# Altium PCB amp.PcbDoc (part 14 of 20) (continued)
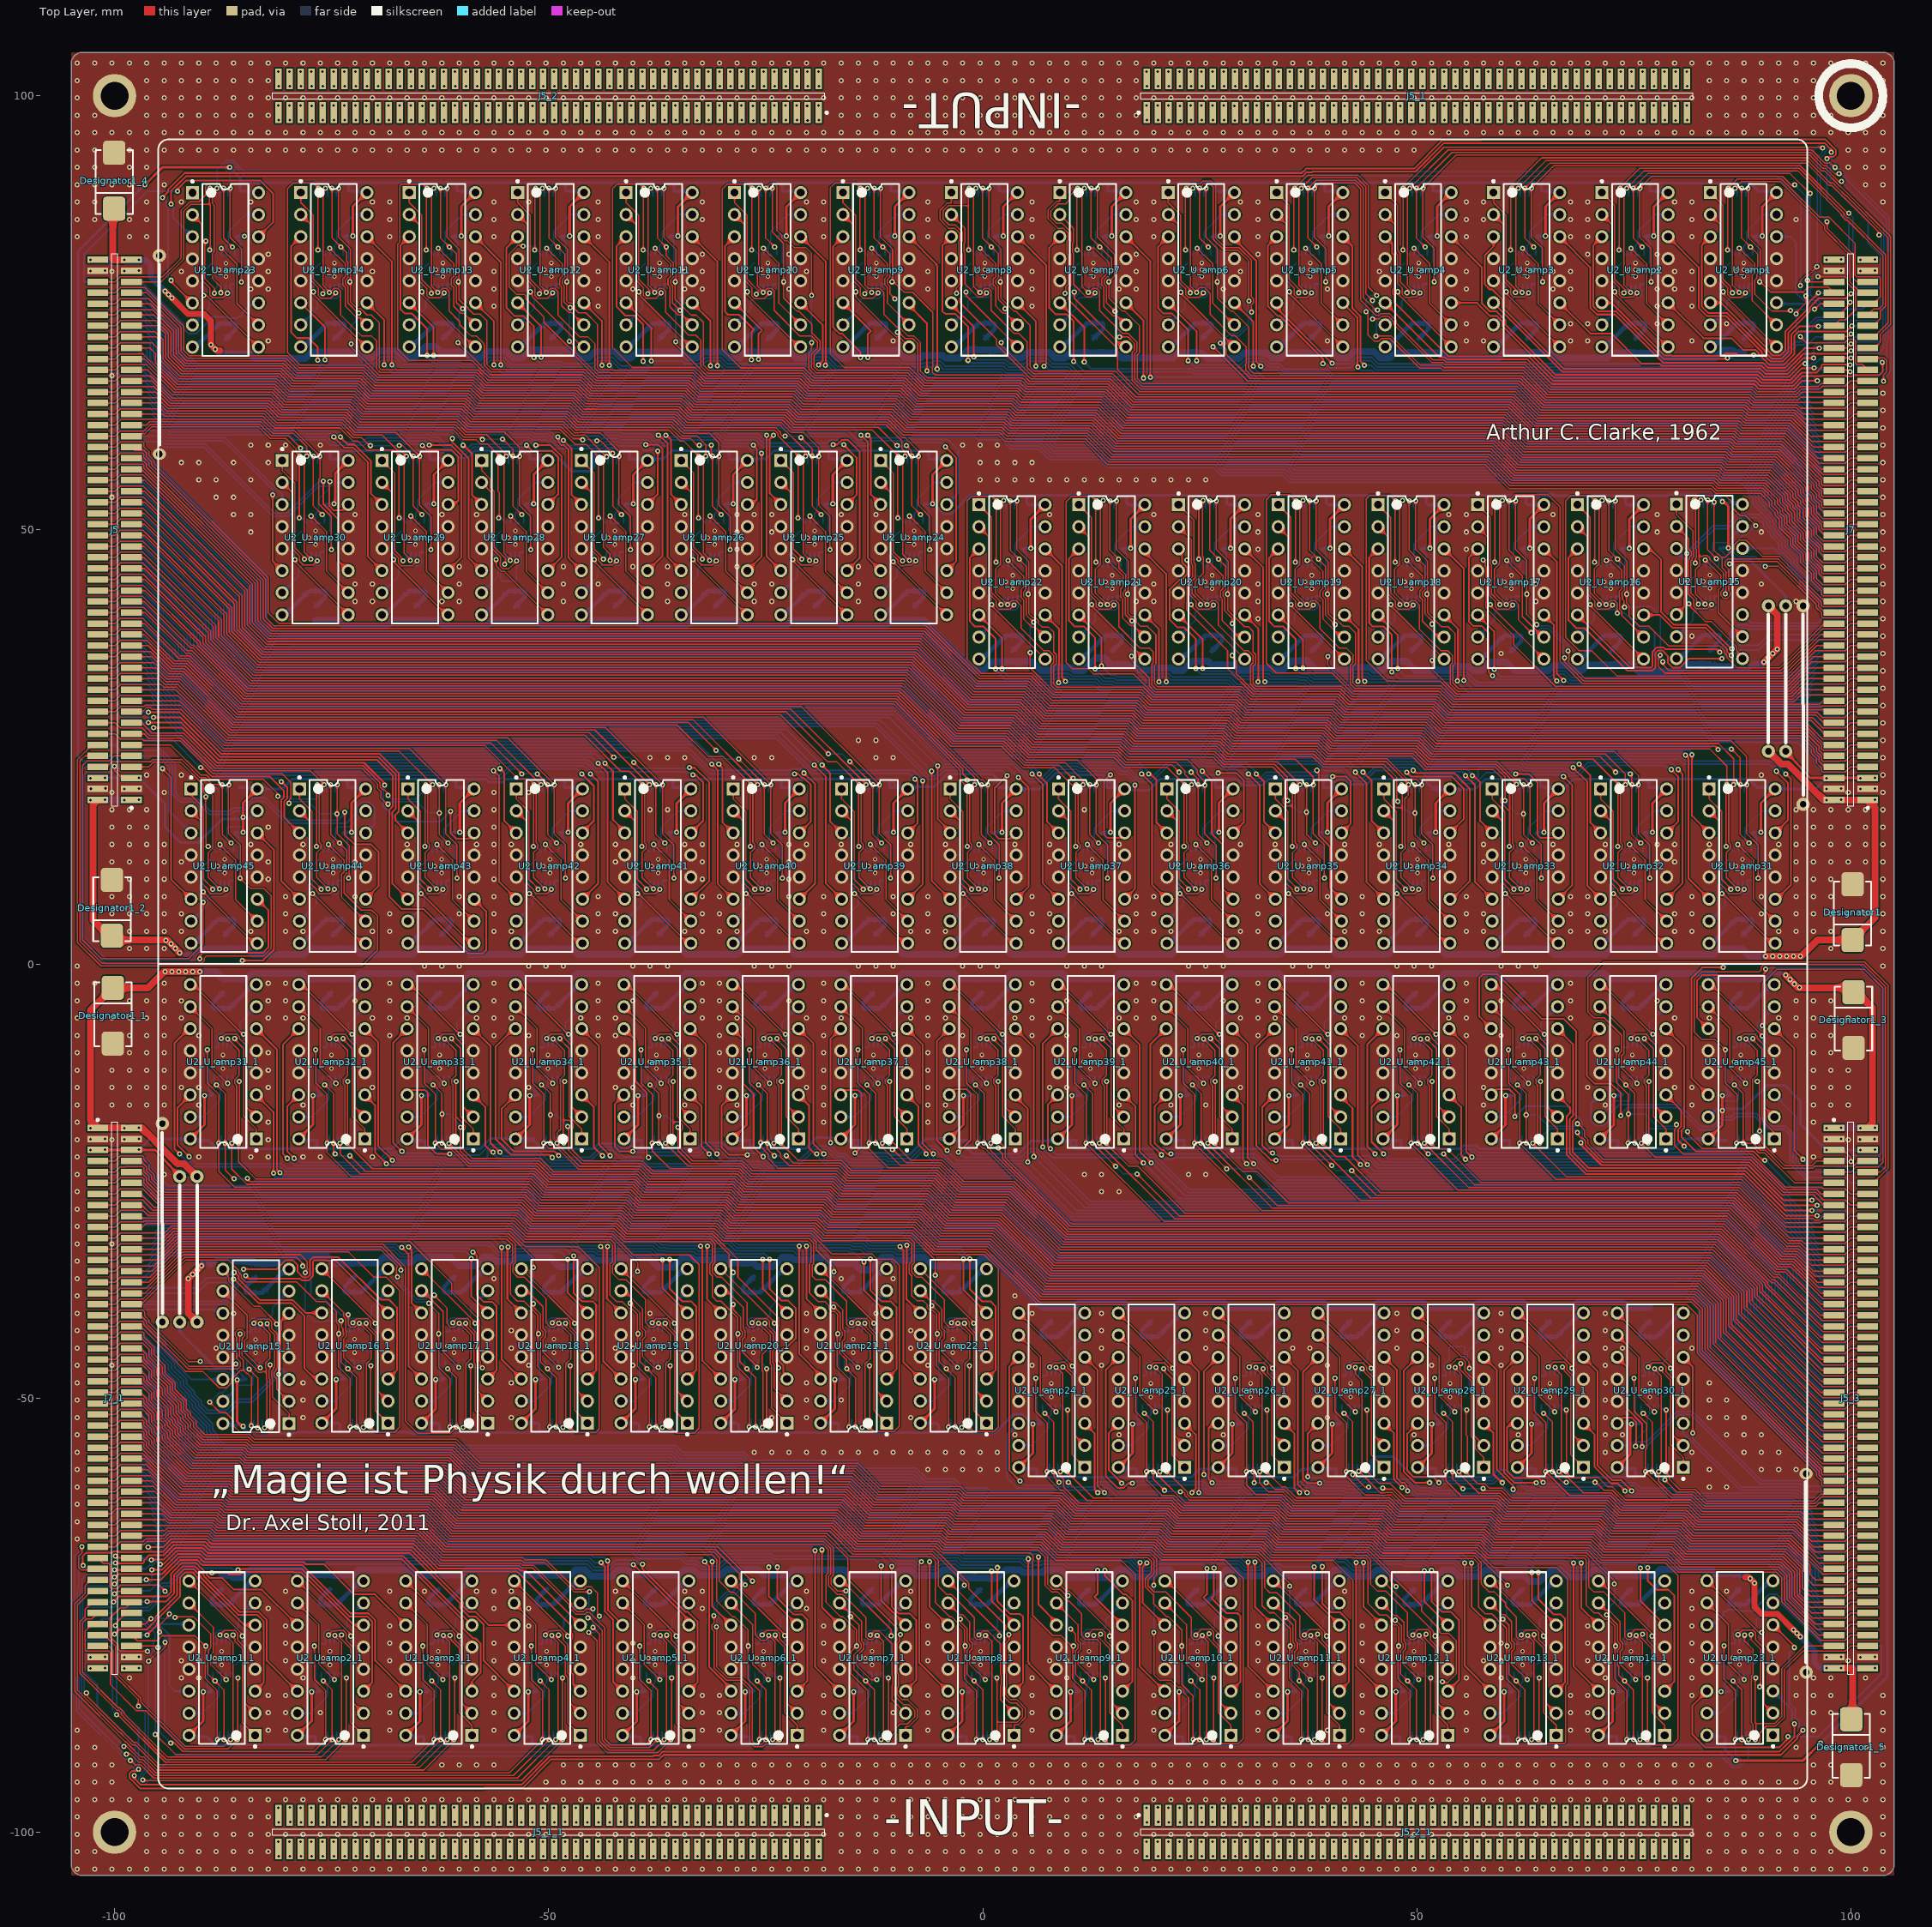
[diagram p0: Top Layer view]
## Nets (pads, with @x,y where several pads share a name; then routed paths per layer and width w, separated by ;. In a path a pad name is that pad's centre, name@x,y a point inside that pad or via, vN(x,y) a via of type N, cw(c..) or ccw(c..) an arc to the next point about the centre after c; other vN are vias at no path point) (continued)
NetJ7_89: J7.89 J7_1.89 R1_U_amp2.6 R1_U_amp2_1.6 U1_U_amp2.5 U1_U_amp2_1.5 | length 113.7
  Top Layer w0.15: J7_1.89@-101.95,-74.765 -102.625,-75.44 -103.243,-75.44 -103.675,-75.872 -103.675,-81.593 -99.593,-85.675 -99.408,-85.675 -98.925,-86.158 -98.925,-86.343 -93.934,-91.334 -76.166,-91.334 -74.185,-89.352 v1(-74.165,-89.352) -73.886,-89.073 -73.886,-78.181 -74.622,-77.444 v1(-74.622,-77.338) v1@-74.622,-77.313 ; v1@74.622,77.313 v1(74.622,77.338) 74.622,77.444 73.886,78.181 73.886,89.073 v1(74.165,89.352) 74.185,89.352 76.166,91.334 93.934,91.334 98.925,86.343 98.925,86.158 99.408,85.675 99.593,85.675 103.675,81.593 103.675,75.872 103.243,75.44 102.625,75.44 J7.89@101.95,74.765
  Bottom Layer w0.15: U1_U_amp2_1.5@-74.697,-78.305 -74.697,-77.413 v1(-74.622,-77.338) ; R1_U_amp2_1.6@-74.423,-88.455 -74.423,-89.094 v1(-74.165,-89.352) ; v1(74.165,89.352) 74.423,89.094 R1_U_amp2.6@74.423,88.455 ; v1(74.622,77.338) 74.697,77.413 U1_U_amp2.5@74.697,78.305
NetJ7_90: J7.90 J7_1.90 R1_U_amp2.8 R1_U_amp2_1.8 U1_U_amp2.1 U1_U_amp2_1.1 | length 105.9
  Top Layer w0.15: v1(-99.898,-76.225) -99.898,-75.995 -98.668,-74.765 J7_1.90@-98.05,-74.765 ; v1(-93.523,-89.738) -93.447,-89.662 -93.178,-89.662 -92.141,-90.699 -77.035,-90.699 v1(-75.689,-89.352) -75.673,-89.336 -75.673,-83.713 -76.985,-82.402 v1(-76.985,-78.557) ; v1(76.985,78.557) 76.985,82.402 75.673,83.713 75.673,89.336 v1(75.689,89.352) 77.035,90.699 92.141,90.699 93.178,89.662 93.447,89.662 v1(93.523,89.738) ; J7.90@98.05,74.765 98.668,74.765 99.898,75.995 v1(99.898,76.225)
  Bottom Layer w0.15: v1(-99.898,-76.225) -99.414,-76.71 -96.406,-76.71 -96.349,-76.767 -96.049,-76.767 -95.99,-76.825 -95.59,-76.825 -95.343,-77.072 -95.343,-77.716 -95.525,-77.898 -95.525,-78.967 -94.807,-79.685 -94.807,-88.454 v1(-93.523,-89.738) ; v1(-76.985,-78.557) -76.985,-79.068 U1_U_amp2_1.1@-76.847,-79.205 ; v1(-75.689,-89.352) -75.689,-89.225 -75.423,-88.959 R1_U_amp2_1.8@-75.423,-88.455 ; R1_U_amp2.8@75.423,88.455 75.423,88.959 75.689,89.225 v1(75.689,89.352) ; U1_U_amp2.1@76.847,79.205 76.985,79.068 v1(76.985,78.557) ; v1(93.523,89.738) 94.807,88.454 94.807,79.685 95.525,78.967 95.525,77.898 95.343,77.716 95.343,77.072 95.59,76.825 95.99,76.825 96.049,76.767 96.349,76.767 96.406,76.71 99.414,76.71 v1(99.898,76.225)
NetJ7_91: J7.91 J7_1.91 R1_U_amp1.5 R1_U_amp1_1.5 U1_U_amp1.9 U1_U_amp1_1.9 | length 76.3
  Top Layer w0.15: J7_1.91@-101.95,-76.035 -102.568,-76.035 -103.375,-76.842 -103.375,-79.038 -103.243,-79.17 -100.657,-79.17 -100.473,-79.354 -100.473,-83.02 -97.467,-86.025 -96.39,-86.025 -92.017,-90.399 -86.914,-90.399 v1(-85.868,-89.352) -85.792,-89.276 v1(-85.792,-82.24) ; v1(85.792,82.24) 85.792,89.276 v1(85.868,89.352) 86.914,90.399 92.017,90.399 96.39,86.025 97.467,86.025 100.473,83.02 100.473,79.354 100.657,79.17 103.243,79.17 103.375,79.038 103.375,76.842 102.568,76.035 J7.91@101.95,76.035
  Bottom Layer w0.15: U1_U_amp1_1.9@-86.687,-81.605 -86.052,-82.24 v1(-85.792,-82.24) ; R1_U_amp1_1.5@-86.413,-88.455 -86.413,-88.807 v1(-85.868,-89.352) ; v1(85.792,82.24) 86.052,82.24 U1_U_amp1.9@86.687,81.605 ; v1(85.868,89.352) 86.413,88.807 R1_U_amp1.5@86.413,88.455
NetJ7_92: J7.92 J7_1.92 R1_U_amp1.7 R1_U_amp1_1.7 U1_U_amp1.13 U1_U_amp1_1.13 | length 50.7
  Top Layer w0.15: J7_1.92@-98.05,-76.035 -96.457,-76.035 v1(-95.834,-75.413) ; v1(-93.04,-75.286) -92.93,-75.175 -90.915,-75.175 -88.95,-77.141 -88.95,-78.775 -89.175,-79 -89.175,-79.426 -89.25,-79.501 -89.25,-81.78 v1(-88.433,-82.596) -87.417,-83.612 v1(-87.417,-89.352) ; v1(87.417,89.352) 87.417,83.612 v1(88.433,82.596) 89.25,81.78 89.25,79.501 89.175,79.426 89.175,79 88.95,78.775 88.95,77.141 90.915,75.175 92.93,75.175 v1(93.04,75.286) ; v1(95.834,75.413) 96.457,76.035 J7.92@98.05,76.035
  Bottom Layer w0.15: v1(-95.834,-75.413) -93.167,-75.413 v1(-93.04,-75.286) ; U1_U_amp1_1.13@-88.687,-81.605 -88.687,-82.342 v1(-88.433,-82.596) ; v1(-87.417,-89.352) -87.413,-89.348 R1_U_amp1_1.7@-87.413,-88.455 ; R1_U_amp1.7@87.413,88.455 87.413,89.348 v1(87.417,89.352) ; v1(88.433,82.596) 88.687,82.342 U1_U_amp1.13@88.687,81.605 ; v1(93.04,75.286) 93.167,75.413 v1(95.834,75.413)
NetJ7_93: J7.93 J7_1.93 R1_U_amp1.6 R1_U_amp1_1.6 U1_U_amp1.5 U1_U_amp1_1.5 | length 74.9
  Top Layer w0.15: J7_1.93@-101.95,-77.305 -101.683,-77.572 -100.887,-77.572 -99.873,-78.586 -99.873,-81.694 -96.988,-84.579 -96.988,-85.003 -91.897,-90.094 -87.397,-90.094 v1(-86.655,-89.352) -86.376,-89.073 -86.376,-78.181 -87.113,-77.444 v1(-87.113,-77.338) v1@-87.113,-77.313 ; v1@87.113,77.313 v1(87.113,77.338) 87.113,77.444 86.376,78.181 86.376,89.073 v1(86.655,89.352) 87.397,90.094 91.897,90.094 96.988,85.003 96.988,84.579 99.873,81.694 99.873,78.586 100.887,77.572 101.683,77.572 J7.93@101.95,77.305
  Bottom Layer w0.15: U1_U_amp1_1.5@-87.187,-78.305 -87.187,-77.413 v1(-87.113,-77.338) ; R1_U_amp1_1.6@-86.913,-88.455 -86.913,-89.094 v1(-86.655,-89.352) ; v1(86.655,89.352) 86.913,89.094 R1_U_amp1.6@86.913,88.455 ; v1(87.113,77.338) 87.187,77.413 U1_U_amp1.5@87.187,78.305
NetJ7_94: J7.94 J7_1.94 R1_U_amp1.8 R1_U_amp1_1.8 U1_U_amp1.1 U1_U_amp1_1.1 | length 45.4
  Top Layer w0.15: J7_1.94@-98.05,-77.305 -97.402,-77.953 -95.092,-77.953 -94.533,-77.394 -90.754,-77.394 -89.591,-78.557 v1(-89.475,-78.557) -89.55,-78.632 -89.55,-82.327 -88.163,-83.713 -88.163,-89.336 v1(-88.179,-89.352) ; v1(88.179,89.352) 88.163,89.336 88.163,83.713 89.55,82.327 89.55,78.632 v1(89.475,78.557) 89.591,78.557 90.754,77.394 94.533,77.394 95.092,77.953 97.402,77.953 J7.94@98.05,77.305
  Bottom Layer w0.15: v1(-89.475,-78.557) -89.475,-79.068 U1_U_amp1_1.1@-89.337,-79.205 ; v1(-88.179,-89.352) -88.179,-89.225 -87.913,-88.959 R1_U_amp1_1.8@-87.913,-88.455 ; R1_U_amp1.8@87.913,88.455 87.913,88.959 88.179,89.225 v1(88.179,89.352) ; U1_U_amp1.1@89.337,79.205 89.475,79.068 v1(89.475,78.557)
NetJ7_95: J7.95 J7_1.95 R1_U_amp23.6 R1_U_amp23_1.6 U1_U_amp23.5 U1_U_amp23_1.5 | length 447.8
  Top Layer w0.15: J7_1.95@-101.95,-78.575 -100.675,-78.575 -100.173,-79.077 -100.173,-81.818 -97.288,-84.703 -97.288,-85.462 v1(-97.25,-85.5) ; v1(-88.206,89.332) -88.75,88.788 -88.75,87.605 -88.545,87.399 -88.545,82.003 -88.75,81.797 -88.75,78.971 -87.749,77.97 v1(-87.749,77.318) v1@-87.749,77.292 ; v1@87.749,-77.292 v1(87.749,-77.318) 87.749,-77.97 88.75,-78.971 88.75,-81.797 88.545,-82.003 88.545,-87.399 88.75,-87.605 88.75,-88.788 v1(88.206,-89.332) ; v1(97.25,85.5) 97.288,85.462 97.288,84.703 100.173,81.818 100.173,79.077 100.675,78.575 J7.95@101.95,78.575
  Bottom Layer w0.15: v1(-97.25,-85.5) -96.5,-86.25 -96.5,-92.818 -97.05,-93.368 -97.05,-93.558 -97.275,-93.783 -97.275,-94.217 -96.967,-94.525 -96.533,-94.525 -96.508,-94.5 -96.5,-94.5 -93.25,-91.25 85.076,-91.25 86.401,-92.575 87.092,-92.575 88.206,-91.461 v1(88.206,-89.332) 87.948,-89.074 R1_U_amp23_1.6@87.948,-88.435 ; R1_U_amp23.6@-87.948,88.435 -87.948,89.074 v1(-88.206,89.332) -88.206,91.461 -87.092,92.575 -86.401,92.575 -85.076,91.25 93.25,91.25 96.5,94.5 96.508,94.5 96.533,94.525 96.967,94.525 97.275,94.217 97.275,93.783 97.05,93.558 97.05,93.368 96.5,92.818 96.5,86.25 v1(97.25,85.5) ; v1(-87.749,77.318) -87.674,77.393 U1_U_amp23.5@-87.674,78.285 ; U1_U_amp23_1.5@87.674,-78.285 87.674,-77.393 v1(87.749,-77.318)
NetJ7_96: J7.96 J7_1.96 R1_U_amp23.8 R1_U_amp23_1.8 U1_U_amp23.1 U1_U_amp23_1.1 | length 425.2
  Top Layer w0.15: J7_1.96@-98.05,-78.575 -95.175,-78.575 v1(-95,-78.75) ; v1(-86.682,89.332) -86.698,89.316 -86.698,83.693 -85.387,82.382 v1(-85.387,78.537) ; v1(85.387,-78.537) 85.387,-82.382 86.698,-83.693 86.698,-89.316 v1(86.682,-89.332) ; v1(95,78.75) 95.175,78.575 J7.96@98.05,78.575
  Bottom Layer w0.15: v1(-95,-78.75) -94.799,-78.549 -94.507,-78.549 -94.25,-78.806 -94.25,-88 -91.5,-90.75 85,-90.75 86.5,-92.25 86.508,-92.25 86.533,-92.275 86.967,-92.275 87.275,-91.967 87.275,-91.533 86.682,-90.94 v1(86.682,-89.332) 86.682,-89.205 86.948,-88.939 R1_U_amp23_1.8@86.948,-88.435 ; R1_U_amp23.8@-86.948,88.435 -86.948,88.939 -86.682,89.205 v1(-86.682,89.332) -86.682,90.94 -87.275,91.533 -87.275,91.967 -86.967,92.275 -86.533,92.275 -86.508,92.25 -86.5,92.25 -85,90.75 91.5,90.75 94.25,88 94.25,78.806 94.507,78.549 94.799,78.549 v1(95,78.75) ; U1_U_amp23.1@-85.524,79.185 -85.387,79.048 v1(-85.387,78.537) ; v1(85.387,-78.537) 85.387,-79.048 U1_U_amp23_1.1@85.524,-79.185
NetJ8_7: J8.7 J8_1.7 U2_U_amp22.14 U2_U_amp22_1.14 | length 219
  Top Layer w0.2: v1(-9.55,-32.563) -9.119,-32.995 -9.119,-34.282 -9.139,-34.302 -9.139,-45.86 U2_U_amp22_1.14@-7.189,-47.81 ; U2_U_amp22.14@7.189,47.81 9.139,45.86 9.139,34.302 9.119,34.282 9.119,32.995 v1(9.55,32.563)
  Bottom Layer w0.2: J8_1.7@-98.05,-22.695 -96.901,-22.695 -96.25,-23.346 -96.25,-23.6 -93.959,-25.891 -84.293,-25.891 -83.707,-25.305 -63.755,-25.305 -63.06,-26 -54.567,-26 -54.552,-25.984 -53.167,-25.984 -51.629,-27.522 -45.586,-27.522 -45.057,-28.05 -44.989,-28.05 -44.885,-28.154 -42.204,-28.154 -42.059,-28.3 -41.741,-28.3 -41.08,-28.96 -36.408,-28.96 -35.882,-29.486 -31.27,-29.486 -30.894,-29.862 -30.527,-29.862 -30.289,-30.1 -28.462,-30.1 -27.654,-30.908 -19.664,-30.908 -18.941,-31.631 -14.947,-31.631 -14.728,-31.85 -13.63,-31.85 -13.033,-32.447 -9.666,-32.447 v1(-9.55,-32.563) ; v1(9.55,32.563) 9.666,32.447 13.033,32.447 13.63,31.85 14.728,31.85 14.947,31.631 18.941,31.631 19.664,30.908 27.654,30.908 28.462,30.1 30.289,30.1 30.527,29.862 30.894,29.862 31.27,29.486 35.882,29.486 36.408,28.96 41.08,28.96 41.741,28.3 42.059,28.3 42.204,28.154 44.885,28.154 44.989,28.05 45.057,28.05 45.586,27.522 51.629,27.522 53.167,25.984 54.552,25.984 54.567,26 63.06,26 63.755,25.305 83.707,25.305 84.293,25.891 93.959,25.891 96.25,23.6 96.25,23.346 96.901,22.695 J8.7@98.05,22.695
NetJ8_8: J8.8 J8_1.8 U2_U_amp22.11 U2_U_amp22_1.11 | length 214.1
  Top Layer w0.2: v1(-8.763,-32.41) -8.763,-34.421 -8.789,-34.447 -8.789,-38.59 U2_U_amp22_1.11@-7.189,-40.19 ; U2_U_amp22.11@7.189,40.19 8.789,38.59 8.789,34.447 8.763,34.421 v1(8.763,32.41)
  Bottom Layer w0.2: J8_1.8@-101.95,-22.695 -99.974,-22.695 -99.354,-22.075 -96.746,-22.075 -95.9,-22.921 -95.9,-23.455 -93.843,-25.512 -92.081,-25.512 -92.069,-25.5 -90.931,-25.5 -90.919,-25.512 -84.409,-25.512 -83.852,-24.955 -63.61,-24.955 -62.915,-25.65 -54.712,-25.65 -54.697,-25.634 -53.022,-25.634 -51.484,-27.172 -45.441,-27.172 -44.912,-27.7 -44.844,-27.7 -44.74,-27.804 -42.06,-27.804 -41.914,-27.95 -41.596,-27.95 -40.935,-28.61 -36.263,-28.61 -35.737,-29.136 -31.125,-29.136 -30.749,-29.512 -30.382,-29.512 -30.144,-29.75 -28.317,-29.75 -27.509,-30.558 -19.519,-30.558 -18.796,-31.281 -14.802,-31.281 -14.583,-31.5 -13.485,-31.5 -12.888,-32.097 -9.862,-32.097 -9.778,-32.013 -9.323,-32.013 -8.925,-32.41 v1(-8.763,-32.41) ; v1(8.763,32.41) 8.925,32.41 9.323,32.013 9.778,32.013 9.862,32.097 12.888,32.097 13.485,31.5 14.583,31.5 14.802,31.281 18.796,31.281 19.519,30.558 27.509,30.558 28.317,29.75 30.144,29.75 30.382,29.512 30.749,29.512 31.125,29.136 35.737,29.136 36.263,28.61 40.935,28.61 41.596,27.95 41.914,27.95 42.06,27.804 44.74,27.804 44.844,27.7 44.912,27.7 45.441,27.172 51.484,27.172 53.022,25.634 54.697,25.634 54.712,25.65 62.915,25.65 63.61,24.955 83.852,24.955 84.409,25.512 90.919,25.512 90.931,25.5 92.069,25.5 92.081,25.512 93.843,25.512 95.9,23.455 95.9,22.921 96.746,22.075 99.354,22.075 99.974,22.695 J8.8@101.95,22.695
NetJ8_9: J8.9 J8_1.9 U2_U_amp22.6 U2_U_amp22_1.6 | length 216.3
  Top Layer w0.2: v1(-2.235,-33.985) -2.235,-37.524 U2_U_amp22_1.6@0.431,-40.19 ; U2_U_amp22.6@-0.431,40.19 2.235,37.524 v1(2.235,33.985)
  Bottom Layer w0.2: J8_1.9@-98.05,-23.965 -96.901,-23.965 -94.275,-26.591 -84.003,-26.591 -83.417,-26.005 -64.045,-26.005 -63.343,-26.707 -53.434,-26.707 -51.919,-28.222 -45.876,-28.222 -45.347,-28.75 -45.279,-28.75 -45.175,-28.854 -42.494,-28.854 -42.348,-29 -42.031,-29 -41.37,-29.66 -36.698,-29.66 -36.172,-30.186 -31.56,-30.186 -31.184,-30.562 -30.817,-30.562 -30.579,-30.8 -28.752,-30.8 -27.944,-31.608 -19.954,-31.608 -19.231,-32.331 -15.237,-32.331 -15.018,-32.55 -13.92,-32.55 -13.323,-33.147 -10.265,-33.147 -9.949,-33.463 -8.543,-33.463 -8.227,-33.147 -2.896,-33.147 -2.235,-33.807 v1(-2.235,-33.985) ; v1(2.235,33.985) 2.235,33.807 2.896,33.147 8.227,33.147 8.543,33.463 9.949,33.463 10.265,33.147 13.323,33.147 13.92,32.55 15.018,32.55 15.237,32.331 19.231,32.331 19.954,31.608 27.944,31.608 28.752,30.8 30.579,30.8 30.817,30.562 31.184,30.562 31.56,30.186 36.172,30.186 36.698,29.66 41.37,29.66 42.031,29 42.348,29 42.494,28.854 45.175,28.854 45.279,28.75 45.347,28.75 45.876,28.222 51.919,28.222 53.434,26.707 63.343,26.707 64.045,26.005 83.417,26.005 84.003,26.591 94.275,26.591 96.901,23.965 J8.9@98.05,23.965
NetJ8_10: J8.10 J8_1.10 U2_U_amp22.3 U2_U_amp22_1.3 | length 244.8
  Top Layer w0.2: v1(-1.485,-33.986) -1.485,-37.478 -0.102,-38.862 0.889,-38.862 1.499,-39.472 1.499,-46.743 U2_U_amp22_1.3@0.431,-47.81 ; U2_U_amp22.3@-0.431,47.81 -1.499,46.743 -1.499,39.472 -0.889,38.862 0.102,38.862 1.485,37.478 v1(1.485,33.986)
  Bottom Layer w0.2: J8_1.10@-101.95,-23.965 -99.974,-23.965 -99.354,-23.345 -96.746,-23.345 -96.6,-23.491 -96.6,-23.745 -94.104,-26.241 -84.148,-26.241 -83.562,-25.655 -63.9,-25.655 -63.198,-26.357 -53.289,-26.357 -51.774,-27.872 -45.731,-27.872 -45.202,-28.4 -45.134,-28.4 -45.03,-28.504 -42.349,-28.504 -42.203,-28.65 -41.886,-28.65 -41.225,-29.31 -36.553,-29.31 -36.027,-29.836 -31.415,-29.836 -31.039,-30.212 -30.672,-30.212 -30.434,-30.45 -28.607,-30.45 -27.799,-31.258 -19.809,-31.258 -19.086,-31.981 -15.092,-31.981 -14.873,-32.2 -13.775,-32.2 -13.178,-32.797 -10.12,-32.797 -9.804,-33.113 -8.688,-33.113 -8.372,-32.797 -2.534,-32.797 -1.346,-33.985 v1(-1.485,-33.986) ; v1@1.346,33.985 2.534,32.797 8.372,32.797 8.688,33.113 9.804,33.113 10.12,32.797 13.178,32.797 13.775,32.2 14.873,32.2 15.092,31.981 19.086,31.981 19.809,31.258 27.799,31.258 28.607,30.45 30.434,30.45 30.672,30.212 31.039,30.212 31.415,29.836 36.027,29.836 36.553,29.31 41.225,29.31 41.886,28.65 42.203,28.65 42.349,28.504 45.03,28.504 45.134,28.4 45.202,28.4 45.731,27.872 51.774,27.872 53.289,26.357 63.198,26.357 63.9,25.655 83.562,25.655 84.148,26.241 94.104,26.241 96.6,23.745 96.6,23.491 96.746,23.345 99.354,23.345 99.974,23.965 J8.10@101.95,23.965 ; v1@1.347,33.986 v1(1.485,33.986)
NetJ8_11: J8.11 J8_1.11 U2_U_amp21.14 U2_U_amp21_1.14 | length 193.7
  Top Layer w0.2: v1(-21.121,-32.508) -21.121,-44.938 -18.679,-47.38 U2_U_amp21_1.14@-18.679,-47.81 ; U2_U_amp21.14@18.679,47.81 18.679,47.38 21.121,44.938 v1(21.121,32.508)
  Bottom Layer w0.2: J8_1.11@-98.05,-25.235 -96.837,-25.235 -94.781,-27.291 -83.713,-27.291 -83.127,-26.705 -64.334,-26.705 -63.633,-27.407 -53.724,-27.407 -52.209,-28.922 -46.166,-28.922 -45.637,-29.45 -45.569,-29.45 -45.465,-29.554 -42.784,-29.554 -42.638,-29.7 -42.321,-29.7 -41.66,-30.36 -36.988,-30.36 -36.462,-30.886 -31.849,-30.886 -31.474,-31.262 -31.107,-31.262 -30.869,-31.5 -29.042,-31.5 -28.211,-32.331 -21.488,-32.331 -21.257,-32.563 -21.184,-32.49 -21.121,-32.552 v1(-21.121,-32.508) ; v1(21.121,32.508) 21.121,32.552 21.184,32.49 21.257,32.563 21.488,32.331 28.211,32.331 29.042,31.5 30.869,31.5 31.107,31.262 31.474,31.262 31.849,30.886 36.462,30.886 36.988,30.36 41.66,30.36 42.321,29.7 42.638,29.7 42.784,29.554 45.465,29.554 45.569,29.45 45.637,29.45 46.166,28.922 52.209,28.922 53.724,27.407 63.633,27.407 64.334,26.705 83.127,26.705 83.713,27.291 94.781,27.291 96.837,25.235 J8.11@98.05,25.235
NetJ8_12: J8.12 J8_1.12 U2_U_amp21.11 U2_U_amp21_1.11 | length 188.3
  Top Layer w0.2: v1(-20.32,-32.487) -20.32,-38.549 U2_U_amp21_1.11@-18.679,-40.19 ; U2_U_amp21.11@18.679,40.19 20.32,38.549 v1(20.32,32.487)
  Bottom Layer w0.2: J8_1.12@-101.95,-25.235 -99.974,-25.235 -99.354,-24.615 -96.746,-24.615 -94.42,-26.941 -83.858,-26.941 -83.272,-26.355 -64.189,-26.355 -63.488,-27.057 -53.579,-27.057 -52.064,-28.572 -46.021,-28.572 -45.492,-29.1 -45.424,-29.1 -45.32,-29.204 -42.639,-29.204 -42.493,-29.35 -42.176,-29.35 -41.515,-30.01 -36.843,-30.01 -36.317,-30.536 -31.704,-30.536 -31.329,-30.912 -30.962,-30.912 -30.724,-31.15 -28.897,-31.15 -28.089,-31.958 -20.893,-31.958 -20.39,-32.461 -20.274,-32.461 -20.32,-32.507 v1(-20.32,-32.487) ; v1(20.32,32.487) 20.32,32.507 20.274,32.461 20.39,32.461 20.893,31.958 28.089,31.958 28.897,31.15 30.724,31.15 30.962,30.912 31.329,30.912 31.704,30.536 36.317,30.536 36.843,30.01 41.515,30.01 42.176,29.35 42.493,29.35 42.639,29.204 45.32,29.204 45.424,29.1 45.492,29.1 46.021,28.572 52.064,28.572 53.579,27.057 63.488,27.057 64.189,26.355 83.272,26.355 83.858,26.941 94.42,26.941 96.746,24.615 99.354,24.615 99.974,25.235 J8.12@101.95,25.235
NetJ8_13: J8.13 J8_1.13 U2_U_amp21.6 U2_U_amp21_1.6 | length 190.7
  Top Layer w0.2: v1(-13.691,-34.315) -13.691,-37.559 U2_U_amp21_1.6@-11.059,-40.19 ; U2_U_amp21.6@11.059,40.19 13.691,37.559 v1(13.691,34.315)
  Bottom Layer w0.2: J8_1.13@-98.05,-26.505 -96.901,-26.505 -95.415,-27.991 -83.423,-27.991 -82.837,-27.405 -64.624,-27.405 -63.892,-28.137 -53.984,-28.137 -52.499,-29.622 -46.456,-29.622 -45.927,-30.15 -45.859,-30.15 -45.755,-30.254 -43.074,-30.254 -42.928,-30.4 -42.611,-30.4 -41.95,-31.06 -37.365,-31.06 -36.813,-31.612 -32.114,-31.612 -31.764,-31.962 -31.397,-31.962 -31.159,-32.2 -29.332,-32.2 -28.501,-33.031 -21.871,-33.031 -21.475,-33.426 -19.966,-33.426 -19.571,-33.031 -15.527,-33.031 -15.308,-33.25 -14.756,-33.25 v1(-13.691,-34.315) ; v1(13.691,34.315) 14.756,33.25 15.308,33.25 15.527,33.031 19.571,33.031 19.966,33.426 21.475,33.426 21.871,33.031 28.501,33.031 29.332,32.2 31.159,32.2 31.397,31.962 31.764,31.962 32.114,31.612 36.813,31.612 37.365,31.06 41.95,31.06 42.611,30.4 42.928,30.4 43.074,30.254 45.755,30.254 45.859,30.15 45.927,30.15 46.456,29.622 52.499,29.622 53.984,28.137 63.892,28.137 64.624,27.405 82.837,27.405 83.423,27.991 95.415,27.991 96.901,26.505 J8.13@98.05,26.505
NetJ8_14: J8.14 J8_1.14 U2_U_amp21.3 U2_U_amp21_1.3 | length 219.4
  Top Layer w0.2: v1(-12.954,-33.96) -12.954,-37.567 -11.633,-38.887 -10.566,-38.887 -9.931,-39.522 -9.931,-46.682 U2_U_amp21_1.3@-11.059,-47.81 ; U2_U_amp21.3@11.059,47.81 9.931,46.682 9.931,39.522 10.566,38.887 11.633,38.887 12.954,37.567 v1(12.954,33.96)
  Bottom Layer w0.2: J8_1.14@-101.95,-26.505 -99.974,-26.505 -99.354,-25.885 -96.746,-25.885 -94.99,-27.641 -83.568,-27.641 -82.982,-27.055 -64.479,-27.055 -63.747,-27.787 -53.839,-27.787 -52.354,-29.272 -46.311,-29.272 -45.782,-29.8 -45.714,-29.8 -45.61,-29.904 -42.929,-29.904 -42.783,-30.05 -42.466,-30.05 -41.805,-30.71 -37.22,-30.71 -36.668,-31.262 -31.969,-31.262 -31.619,-31.612 -31.252,-31.612 -31.014,-31.85 -29.187,-31.85 -28.356,-32.681 -21.726,-32.681 -21.33,-33.076 -20.111,-33.076 -19.716,-32.681 -15.382,-32.681 -15.163,-32.9 -14.065,-32.9 -12.954,-34.011 v1(-12.954,-33.96) ; v1(12.954,33.96) 12.954,34.011 14.065,32.9 15.163,32.9 15.382,32.681 19.716,32.681 20.111,33.076 21.33,33.076 21.726,32.681 28.356,32.681 29.187,31.85 31.014,31.85 31.252,31.612 31.619,31.612 31.969,31.262 36.668,31.262 37.22,30.71 41.805,30.71 42.466,30.05 42.783,30.05 42.929,29.904 45.61,29.904 45.714,29.8 45.782,29.8 46.311,29.272 52.354,29.272 53.839,27.787 63.747,27.787 64.479,27.055 82.982,27.055 83.568,27.641 94.99,27.641 96.746,25.885 99.354,25.885 99.974,26.505 J8.14@101.95,26.505
NetJ8_15: J8.15 J8_1.15 U2_U_amp20.14 U2_U_amp20_1.14 | length 168.9
  Top Layer w0.2: v1(-32.487,-32.512) -32.487,-32.614 -32.278,-32.822 -32.278,-45.702 U2_U_amp20_1.14@-30.169,-47.81 ; U2_U_amp20.14@30.169,47.81 32.278,45.702 32.278,32.822 32.487,32.614 v1(32.487,32.512)
  Bottom Layer w0.2: J8_1.15@-98.05,-27.775 -96.837,-27.775 -95.921,-28.691 -83.133,-28.691 -82.547,-28.105 -64.914,-28.105 -64.182,-28.837 -54.274,-28.837 -52.789,-30.322 -46.746,-30.322 -46.217,-30.85 -46.149,-30.85 -46.045,-30.954 -43.364,-30.954 -43.218,-31.1 -42.9,-31.1 -42.24,-31.76 -37.654,-31.76 -37.083,-32.331 -36.348,-32.331 -36.238,-32.441 -33.274,-32.441 -33.274,-32.436 -32.966,-32.436 -32.687,-32.715 -32.487,-32.515 v1(-32.487,-32.512) ; v1(32.487,32.512) 32.487,32.515 32.687,32.715 32.966,32.436 33.274,32.436 33.274,32.441 36.238,32.441 36.348,32.331 37.083,32.331 37.654,31.76 42.24,31.76 42.9,31.1 43.218,31.1 43.364,30.954 46.045,30.954 46.149,30.85 46.217,30.85 46.746,30.322 52.789,30.322 54.274,28.837 64.182,28.837 64.914,28.105 82.547,28.105 83.133,28.691 95.921,28.691 96.837,27.775 J8.15@98.05,27.775
NetJ8_16: J8.16 J8_1.16 U2_U_amp20.11 U2_U_amp20_1.11 | length 164.9
  Top Layer w0.2: v1(-31.725,-32.512) -31.725,-32.628 v1@-31.715,-32.638 ; v1@-31.629,-32.552 v1@-31.715,-32.638 ; U2_U_amp20_1.11@-30.169,-40.19 -31.769,-38.59 -31.769,-32.692 v1@-31.715,-32.638 ; U2_U_amp20.11@30.169,40.19 31.769,38.59 31.769,32.692 v1@31.715,32.638 ; v1@31.629,32.552 v1@31.715,32.638 ; v1(31.725,32.512) 31.725,32.628 v1@31.715,32.638
  Bottom Layer w0.2: J8_1.16@-101.95,-27.775 -99.974,-27.775 -99.354,-27.155 -96.746,-27.155 -96.6,-27.301 -96.6,-27.517 -95.776,-28.341 -83.278,-28.341 -82.692,-27.755 -64.769,-27.755 -64.037,-28.487 -54.129,-28.487 -52.644,-29.972 -46.601,-29.972 -46.072,-30.5 -46.004,-30.5 -45.9,-30.604 -43.219,-30.604 -43.073,-30.75 -42.755,-30.75 -42.095,-31.41 -37.51,-31.41 -36.939,-31.981 -36.203,-31.981 -36.099,-32.086 -32.838,-32.086 -32.714,-31.962 -32.259,-31.962 -31.725,-32.496 v1(-31.725,-32.512) v1@-31.725,-32.598 ; v1@-31.765,-32.638 v1@-31.725,-32.598 ; v1@31.765,32.638 v1@31.725,32.598 ; J8.16@101.95,27.775 99.974,27.775 99.354,27.155 96.746,27.155 96.6,27.301 96.6,27.517 95.776,28.341 83.278,28.341 82.692,27.755 64.769,27.755 64.037,28.487 54.129,28.487 52.644,29.972 46.601,29.972 46.072,30.5 46.004,30.5 45.9,30.604 43.219,30.604 43.073,30.75 42.755,30.75 42.095,31.41 37.51,31.41 36.939,31.981 36.203,31.981 36.099,32.086 32.838,32.086 32.714,31.962 32.259,31.962 31.725,32.496 v1(31.725,32.512) v1@31.725,32.598 ; v1@-31.725,-32.598 -31.725,-32.645 -31.687,-32.683 v1@-31.64,-32.683 ; v1@-31.725,-32.598 v1@-31.64,-32.683 ; v1@-31.64,-32.683 -31.635,-32.678 -31.598,-32.715 -31.607,-32.715 v1@-31.64,-32.683 ; v1@31.64,32.683 31.607,32.715 31.598,32.715 31.635,32.678 v1@31.64,32.683 ; v1@31.64,32.683 v1@31.725,32.598 ; v1@31.64,32.683 31.687,32.683 31.725,32.645 v1@31.725,32.598
NetJ8_17: J8.17 J8_1.17 U2_U_amp20.6 U2_U_amp20_1.6 | length 165.7
  Top Layer w0.2: v1(-25.324,-34.011) -25.324,-37.416 U2_U_amp20_1.6@-22.549,-40.19 ; U2_U_amp20.6@22.549,40.19 25.324,37.416 v1(25.324,34.011)
  Bottom Layer w0.2: J8_1.17@-98.05,-29.045 -96.901,-29.045 -96.555,-29.391 -82.843,-29.391 -82.257,-28.805 -65.204,-28.805 -64.472,-29.537 -54.564,-29.537 -53.079,-31.022 -47.036,-31.022 -46.507,-31.55 -46.439,-31.55 -46.335,-31.654 -43.654,-31.654 -43.508,-31.8 -43.19,-31.8 -42.53,-32.46 -37.944,-32.46 -37.373,-33.031 -36.638,-33.031 -36.509,-33.16 -33.232,-33.16 -32.955,-33.437 -31.254,-33.437 -30.977,-33.16 -29.362,-33.16 -28.791,-33.731 -25.603,-33.731 v1(-25.324,-34.011) ; v1(25.324,34.011) 25.603,33.731 28.791,33.731 29.362,33.16 30.977,33.16 31.254,33.437 32.955,33.437 33.232,33.16 36.509,33.16 36.638,33.031 37.373,33.031 37.944,32.46 42.53,32.46 43.19,31.8 43.508,31.8 43.654,31.654 46.335,31.654 46.439,31.55 46.507,31.55 47.036,31.022 53.079,31.022 54.564,29.537 64.472,29.537 65.204,28.805 82.257,28.805 82.843,29.391 96.555,29.391 96.901,29.045 J8.17@98.05,29.045
NetJ8_18: J8.18 J8_1.18 U2_U_amp20.3 U2_U_amp20_1.3 | length 195.5
  Top Layer w0.2: v1(-24.562,-34.011) -24.562,-37.414 -23.216,-38.76 -22.428,-38.76 -21.549,-39.639 -21.549,-43.144 -22.675,-44.27 -22.964,-44.27 -23.549,-44.856 -23.549,-45.684 -22.964,-46.27 -22.964,-47.036 -22.37,-47.63 U2_U_amp20_1.3@-22.549,-47.81 ; U2_U_amp20.3@22.549,47.81 22.37,47.63 22.964,47.036 22.964,46.27 23.549,45.684 23.549,44.856 22.964,44.27 22.675,44.27 21.549,43.144 21.549,39.639 22.428,38.76 23.216,38.76 24.562,37.414 v1(24.562,34.011)
  Bottom Layer w0.2: J8_1.18@-101.95,-29.045 -99.974,-29.045 -99.354,-28.425 -96.746,-28.425 -96.13,-29.041 -82.988,-29.041 -82.402,-28.455 -65.059,-28.455 -64.327,-29.187 -54.419,-29.187 -52.934,-30.672 -46.891,-30.672 -46.362,-31.2 -46.294,-31.2 -46.19,-31.304 -43.509,-31.304 -43.363,-31.45 -43.045,-31.45 -42.385,-32.11 -37.799,-32.11 -37.228,-32.681 -36.493,-32.681 -36.364,-32.81 -33.087,-32.81 -32.81,-33.087 -31.399,-33.087 -31.122,-32.81 -29.217,-32.81 -28.646,-33.381 -25.166,-33.381 -24.562,-33.985 v1(-24.562,-34.011) ; v1(24.562,34.011) 24.562,33.985 25.166,33.381 28.646,33.381 29.217,32.81 31.122,32.81 31.399,33.087 32.81,33.087 33.087,32.81 36.364,32.81 36.493,32.681 37.228,32.681 37.799,32.11 42.385,32.11 43.045,31.45 43.363,31.45 43.509,31.304 46.19,31.304 46.294,31.2 46.362,31.2 46.891,30.672 52.934,30.672 54.419,29.187 64.327,29.187 65.059,28.455 82.402,28.455 82.988,29.041 96.13,29.041 96.746,28.425 99.354,28.425 99.974,29.045 J8.18@101.95,29.045
NetJ8_19: J8.19 J8_1.19 U2_U_amp19.14 U2_U_amp19_1.14 | length 144.3
  Top Layer w0.2: v1(-44.018,-32.563) -43.713,-32.868 -43.713,-45.756 U2_U_amp19_1.14@-41.66,-47.81 ; U2_U_amp19.14@41.66,47.81 43.713,45.756 43.713,32.868 v1(44.018,32.563)
  Bottom Layer w0.2: J8_1.19@-98.05,-30.315 -97.834,-30.099 -97.104,-30.099 -97.097,-30.091 -82.554,-30.091 -81.967,-29.505 -65.494,-29.505 -64.762,-30.237 -54.853,-30.237 -53.369,-31.722 -47.325,-31.722 -46.797,-32.25 -46.729,-32.25 -46.519,-32.46 -44.318,-32.46 -44.018,-32.759 v1(-44.018,-32.563) ; v1(44.018,32.563) 44.018,32.759 44.318,32.46 46.519,32.46 46.729,32.25 46.797,32.25 47.325,31.722 53.369,31.722 54.853,30.237 64.762,30.237 65.494,29.505 81.967,29.505 82.554,30.091 97.097,30.091 97.104,30.099 97.834,30.099 J8.19@98.05,30.315
NetJ8_20: J8.20 J8_1.20 U2_U_amp19.11 U2_U_amp19_1.11 | length 138.4
  Top Layer w0.2: v1(-43.231,-32.537) -43.291,-32.597 -43.291,-38.559 U2_U_amp19_1.11@-41.66,-40.19 ; U2_U_amp19.11@41.66,40.19 43.291,38.559 43.291,32.597 v1(43.231,32.537)
  Bottom Layer w0.2: J8_1.20@-101.95,-30.315 -99.974,-30.315 -99.354,-29.695 -96.746,-29.695 -96.7,-29.741 -82.699,-29.741 -82.112,-29.155 -65.349,-29.155 -64.617,-29.887 -54.708,-29.887 -53.224,-31.372 -47.181,-31.372 -46.652,-31.9 -46.584,-31.9 -46.471,-32.013 -43.79,-32.013 -43.468,-32.335 -43.468,-32.529 -43.358,-32.639 -43.256,-32.537 v1(-43.231,-32.537) ; v1(43.231,32.537) 43.256,32.537 43.358,32.639 43.468,32.529 43.468,32.335 43.79,32.013 46.471,32.013 46.584,31.9 46.652,31.9 47.181,31.372 53.224,31.372 54.708,29.887 64.617,29.887 65.349,29.155 82.112,29.155 82.699,29.741 96.7,29.741 96.746,29.695 99.354,29.695 99.974,30.315 J8.20@101.95,30.315
NetJ8_21: J8.21 J8_1.21 U2_U_amp19.6 U2_U_amp19_1.6 | length 142.1
  Top Layer w0.2: v1(-36.881,-34.061) -36.881,-37.349 U2_U_amp19_1.6@-34.04,-40.19 ; U2_U_amp19.6@34.04,40.19 36.881,37.349 v1(36.881,34.061)
  Bottom Layer w0.2: J8_1.21@-98.05,-31.585 -95.545,-31.585 -94.755,-30.795 -82.268,-30.795 -81.677,-30.205 -65.784,-30.205 -65.052,-30.937 -55.143,-30.937 -53.659,-32.422 -47.615,-32.422 -47.087,-32.95 -47.019,-32.95 -46.809,-33.16 -44.722,-33.16 -44.395,-33.488 -42.795,-33.488 -42.467,-33.16 -38.234,-33.16 -37.663,-33.731 -37.059,-33.731 -36.805,-33.985 v1(-36.881,-34.061) ; v1(36.881,34.061) 36.805,33.985 37.059,33.731 37.663,33.731 38.234,33.16 42.467,33.16 42.795,33.488 44.395,33.488 44.722,33.16 46.809,33.16 47.019,32.95 47.087,32.95 47.615,32.422 53.659,32.422 55.143,30.937 65.052,30.937 65.784,30.205 81.677,30.205 82.268,30.795 94.755,30.795 95.545,31.585 J8.21@98.05,31.585
NetJ8_22: J8.22 J8_1.22 U2_U_amp19.3 U2_U_amp19_1.3 | length 169.4
  Top Layer w0.2: v1(-36.043,-34.036) -36.043,-37.44 -34.62,-38.862 -33.604,-38.862 -32.995,-39.472 -32.995,-46.765 U2_U_amp19_1.3@-34.04,-47.81 ; U2_U_amp19.3@34.04,47.81 32.995,46.765 32.995,39.472 33.604,38.862 34.62,38.862 36.043,37.44 v1(36.043,34.036)
  Bottom Layer w0.2: J8_1.22@-101.95,-31.585 -99.974,-31.585 -99.354,-30.965 -95.42,-30.965 -94.9,-30.445 -82.413,-30.445 -81.822,-29.855 -65.639,-29.855 -64.907,-30.587 -54.998,-30.587 -53.514,-32.072 -47.47,-32.072 -46.942,-32.6 -46.874,-32.6 -46.664,-32.81 -44.577,-32.81 -44.25,-33.138 -42.94,-33.138 -42.612,-32.81 -38.089,-32.81 -37.518,-33.381 -36.783,-33.381 -36.103,-34.061 -36.068,-34.061 v1(-36.043,-34.036) ; v1(36.043,34.036) 36.068,34.061 36.103,34.061 36.783,33.381 37.518,33.381 38.089,32.81 42.612,32.81 42.94,33.138 44.25,33.138 44.577,32.81 46.664,32.81 46.874,32.6 46.942,32.6 47.47,32.072 53.514,32.072 54.998,30.587 64.907,30.587 65.639,29.855 81.822,29.855 82.413,30.445 94.9,30.445 95.42,30.965 99.354,30.965 99.974,31.585 J8.22@101.95,31.585